# Altium PCB PCB1.PcbDoc
Units mm, origin at the board's own origin, x right, y up, seen from the top; angles counter-clockwise.
Board outline 100 x 50 mm, 2 copper layers (Top Layer, Bottom Layer); 32 components, 25 nets, 118 pads, 18 vias.
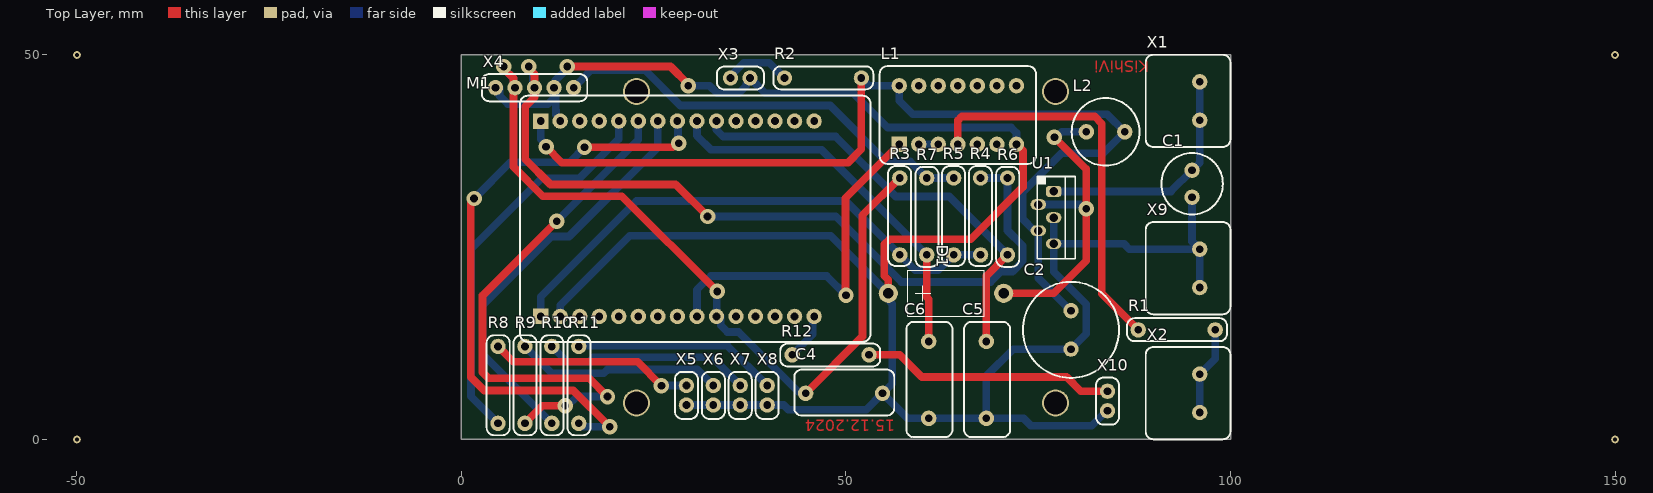
[diagram p0: Top Layer view]
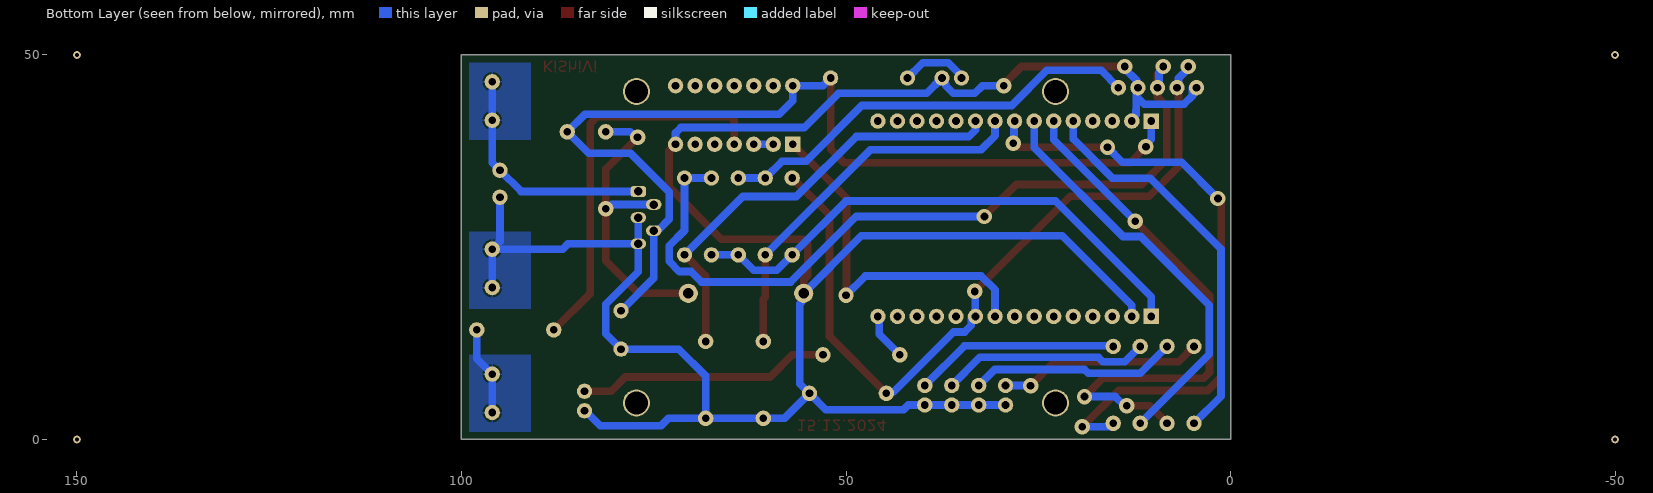
[diagram p1: Bottom Layer view, seen from below]

## Layer stack, top to bottom
Top Solder: solder mask 0.0102, Solder Resist, Dk 3.5
Top Layer: signal copper 0.0356
Dielectric 1: dielectric 0.32, FR-4, Dk 4.8
Bottom Layer: signal copper 0.0356
Bottom Solder: solder mask 0.0102, Solder Resist, Dk 3.5

## Board outline
0,0 0,50 100,50 100,0

## Design rules (kind name [scope] priority, off if disabled: settings)
Clearance [All] p1: gap=0.254 ignorepadtopadclearanceinfootprint=FALSE except(0.5: Arc-Arc Arc-Track Arc-SMDPad Arc-THPad Arc-Via Arc-Fill Arc-Poly Arc-Region Arc-Text Arc-Hole Track-Track Track-SMDPad Track-THPad Track-Via Track-Fill Track-Poly Track-Region Track-Text Track-Hole)
PolygonConnect [All] p1: connectstyle=Relief reliefconductorwidth=0.254 reliefentries=4 polygonreliefangle="90 Angle" airgapwidth=0.254
RoutingVias [All] p1: holewidth=1 width=2 viastyle="Through Hole" minholewidth=1 minwidth=2 maxholewidth=1 maxwidth=2
SolderMaskExpansion [All] p1: expansion=0.102 istentingtop=FALSE
Width [All] p1: maxlimit=1 minlimit=0.5 preferedwidth=1
30 further rules are at their usual default settings.

## Components (designator, comment, footprint, x,y, rotation, side; value= is the part's Value field where it differs from the comment)
C1 "CapPol" "CAP 8x7" 95,33.25 r270 top value=100uF
C2 "CapPol" "CAP 10x12.5" 79.25,14.25 r270 top value=1000uF
C4 "Cap" "Cap K73-17 0.1uF 100V 5-10%" 49.75,6 r180 top value=0.1uF
C5 "Cap" "Cap K73-17 0.01uF 100V 5-10%" 68.25,7.75 r90 top value=0.01uF
C6 "Cap" "Cap K73-17 0.01uF 100V 5-10%" 60.75,7.75 r90 top value=0.01uF
D1 "DiodeShotke" DIODE_SHOTKE 63,19 r180 top
L1 "SN74HCT04" DIP-14 56.92,38.38 r0 top
L2 "Inductor" RLB0912-101KL 83.75,40 r0 top
M1 "ESP32_WROOM_DevKit_v1" ESP32_WROOM_DevKit_v1 26,28.7 r0 top
R1 "Res" "Resistor MF-25" 93,14.25 r180 top value=200
R2 "Res" "Resistor MF-25" 47,47 r180 top value=68
R3 "Res" "Resistor MF-25" 57,29 r270 top value=10k
R4 "Res" "Resistor MF-25" 67.5,29 r270 top value=10k
R5 "Res" "Resistor MF-25" 64,29 r270 top value=10k
R6 "Res" "Resistor MF-25" 71,29 r90 top value=10k
R7 "Res" "Resistor MF-25" 60.5,29 r90 top value=10k
R8 "Res" "Resistor MF-25" 4.75,7.1 r90 top value=150
R9 "Res" "Resistor MF-25" 8.25,7.1 r90 top value=150
R10 "Res" "Resistor MF-25" 11.75,7.1 r90 top value=150
R11 "Res" "Resistor MF-25" 15.25,7.1 r90 top value=150
R12 "Res" "Resistor MF-25" 48,11 r0 top value=150
U1 "LM2575HVT-5.0/NOPB" KC0005A 77,28.85 r0 top
X1 "HeaderX2" TERMINAL_X2_5MM 96,44 r90 top
X2 "HeaderX2" TERMINAL_X2_5MM 96,6 r90 top
X3 "HeaderX2" HEADERX2 36.25,47 r0 top
X4 "HeaderX5" HeaderX5 9.5,45.75 r0 top
X5 "HeaderX2" HEADERX2 29.25,5.75 r270 top
X6 "HeaderX2" HEADERX2 32.75,5.75 r270 top
X7 "HeaderX2" HEADERX2 36.25,5.75 r270 top
X8 "HeaderX2" HEADERX2 39.75,5.75 r270 top
X9 "HeaderX2" TERMINAL_X2_5MM 96,22.25 r90 top
X10 "HeaderX2" HEADERX2 84,5 r270 top

## Footprints (in the part's own frame and the unit in brackets; to place one, negate y for a bottom-side part, rotate by r counter-clockwise, add the part's x,y. Pads: shape width x height; smd on the part's side, far side on the other; paste and mask are expansions set on the pad)
"CAP 8x7" [mm]
  round 2 hole 1: 1(-1.75,0) 2(1.75,0)
  silkscreen extent -4,-4 4,4
"CAP 10x12.5" [mm]
  round 2 hole 1: 1(-2.5,0) 2(2.5,0)
  silkscreen extent -6.25,-6.25 6.25,6.25
"Cap K73-17 0.1uF 100V 5-10%" [mm] "К73-17 0.1 мкФ, 100 В, 5-10%, Конденсатор металлоплёночный"
  round 2 hole 1: 1(-5,0) 2(5,0)
  silkscreen extent -6.53,-3.1 6.48,2.9, body extent -6,-3.6 6,3.4, height 20
"Cap K73-17 0.01uF 100V 5-10%" [mm] "К73-17 0.01 мкФ, 100 В, 5-10%, Конденсатор металлоплёночный"
  round 2 hole 1: 1(-5,0) 2(5,0)
  silkscreen extent -7.45,-3.1 7.55,2.9, body extent -6,-3.6 6,3.4, height 20
DIODE_SHOTKE [mm]
  round 2.5 hole 1.4: 1(-7.5,0) 2(7.5,0)
  silkscreen extent -5,-3 5,3
DIP-14 [mm]
  rect 2x2 hole 1: 1(0,0)
  round 2 hole 1: 2(2.54,0) 3(5.08,0) 4(7.62,0) 5(10.16,0) 6(12.7,0) 7(15.24,0) 8(15.24,7.62) 9(12.7,7.62) 10(10.16,7.62) 11(7.62,7.62) 12(5.08,7.62) 13(2.54,7.62) 14(0,7.62)
  silkscreen extent -2.54,-2.54 17.78,10.16, body extent -2.18,-0.25 17.42,7.62, height 4.36
ESP32_WROOM_DevKit_v1 [mm]
  rect 2x2 hole 1: 1(-15.705,-12.7) 30(-15.705,12.7)
  round 2 hole 1: 2(-13.165,-12.7) 3(-10.625,-12.7) 4(-8.085,-12.7) 5(-5.545,-12.7) 6(-3.005,-12.7) 7(-0.465,-12.7) 8(2.075,-12.7) 9(4.615,-12.7) 10(7.155,-12.7) 11(9.695,-12.7) 12(12.235,-12.7) 13(14.775,-12.7) 14(17.315,-12.7) 15(19.855,-12.7) 16(19.855,12.7) 17(17.315,12.7) 18(14.775,12.7) 19(12.235,12.7) 20(9.695,12.7) 21(7.155,12.7) 22(4.615,12.7) 23(2.075,12.7) 24(-0.465,12.7) 25(-3.005,12.7) 26(-5.545,12.7) 27(-8.085,12.7) 28(-10.625,12.7) 29(-13.165,12.7)
  silkscreen extent -18.38,-16 27.17,16, body extent -25.63,-14.2 25.3,14.3, height 7.2
HEADERX2 [mm]
  round 2 hole 1: 1(-1.27,0) 2(1.27,0)
  silkscreen extent -3.05,-1.5 3.08,1.5, body extent -2.54,-1.25 2.54,1.25, height 8.55
HeaderX5 [mm]
  round 2 hole 1: 1(-5.08,0) 2(-2.54,0) 3(0,0) 4(2.54,0) 5(5.08,0)
  silkscreen extent -6.86,-1.78 6.86,1.78, body extent -6.35,-1.25 6.35,1.25, height 8.55
KC0005A [mm] "FM, 5-Leads, Body 10.16x8.46mm, Pitch 1.7mm"
  rrect50% 2x1.4 hole 1.1: 1(0,3.4)
  oval 2x1.4 hole 1.1: 2(-2,1.7) 3(0,0) 4(-2,-1.7) 5(0,-3.4)
  silkscreen extent -2.13,-5.35 2.79,5.35, body extent -2.08,-5.35 2.77,5.35, height 16.51
"Resistor MF-25" [mm] "MF-25 (С2-23) 0.25 Вт, 1%, Резистор металлопленочный"
  round 2 hole 1: 1(-5,0) 2(5,0)
  silkscreen extent -6.55,-1.53 6.45,1.47, body extent -5.38,-1.19 5.38,1.19, height 2.41
RLB0912-101KL [mm]
  round 2 hole 1: 1(-2.5,0) 2(2.5,0)
  silkscreen extent -4.4,-4.4 4.4,4.4
TERMINAL_X2_5MM [mm]
  round 2 hole 1: 1(-2.5,0) 2(2.5,0)
  silkscreen extent -5.97,-3.98 6.03,7.02, body extent -5,-2.7 5,4.9, height 9.8

## Part data
U1: library part CMP-0069-02007-3, "SIMPLE SWITCHER® 1A Step-Down Voltage Regulator, 5-pin TO-220, Pb-Free", Manufacturer="Texas Instruments", PackageTopMarking="NSUZXYTTE#*LM2575HVT*-5.0 P+", PowerWise=N, Code_JEDEC=TO-220-AB, ComponentLink1Description="Datasheet URL", ComponentLink1URL=http://www.ti.com/general/docs/lit/getliterature.tsp?genericPartNumber=LM2575HV&fileType=pdf, CompType=Switcher, PackageDescription="TO-220, Molded, 5 Lead, Straight", PackageReference=KC0005A, PinCount=5, RoHS=Y

## Free pads (board coordinates)
  round 1 hole 0.5: ""(-50,0) ""(-50,50) ""(150,0) ""(150,50)
  round 3.5 hole 3: ""(22.75,4.75) ""(22.75,45.25) ""(77.25,4.75) ""(77.25,45.25)

## Via types
v1: diameter 2, hole 1, Top Layer to Bottom Layer, 18 vias

## Nets (pads, with @x,y where several pads share a name; then routed paths per layer and width w, separated by ;. In a path a pad name is that pad's centre, name@x,y a point inside that pad or via, vN(x,y) a via of type N, cw(c..) or ccw(c..) an arc to the next point about the centre after c; other vN are vias at no path point)
3V3: M1.1 R3.2 R4.2 R5.2 | length 69.5
  Bottom Layer w1: M1.1 10.295,18.545 22.75,31 50,31 R3.2 59.013,21.987 61.987,21.987 R5.2 R4.2
5V: C2.1 L1.14 L2.2 M1.30 R2.1 U1.4 | length 128.6
  Top Layer w1: v1(11,38.059) 13.059,36 50.265,36 52,37.735 R2.1 ; U1.4@74.994,27.15 U1.4
  Bottom Layer w1: M1.30 10.295,39.035 11,38.33 v1(11,38.059) ; R2.1 53,46 L1.14 56.92,44.06 58.673,42.307 83.943,42.307 L2.2 83.452,37.202 78.017,37.202 72.988,32.173 72.988,28.662 74.5,27.15 U1.4 75,21 C2.1
12V_Net: C1.1 U1.1 X1.1 X1.2 | length 31.1
  Bottom Layer w1: U1.1 92.25,32.25 C1.1 96,36 X1.1 X1.2
Data_3V3_Net: L1.1 M1.9 | length 47.4
  Top Layer w1: v1@49.925,18.75 49.925,31.385 L1.1
  Bottom Layer w1: M1.9@30.424,16.191 M1.9 30.615,19.443 32.422,21.25 47.5,21.25 v1(50,18.75)
Data_5V_Net: R1.1 X2.1 X2.2 | length 11.6
  Bottom Layer w1: X2.1 X2.2 98,10.5 R1.1
ENC_A_Net: C5.2 M1.21 R6.1 | length 58.1
  Top Layer w1: C5.2 68.25,21.25 R6.1
  Bottom Layer w1: M1.21 33.155,40.269 34.038,39.386 48.655,39.386 56.452,31.589 63.411,31.589 R6.1
ENC_B_Net: C6.2 M1.22 R7.1 | length 49.5
  Top Layer w1: R7.1 60.5,18.478 60.75,18.228 C6.2
  Bottom Layer w1: M1.22 30.615,39.519 32.449,37.685 46.815,37.685 R7.1
ENC_SW_Net: C4.2 M1.10 R3.1 X4.2 | length 103
  Top Layer w1: v1(5.5,48.5) 5.5,48.229 6.769,46.961 6.769,45.751 6.865,45.655 6.77,45.56 6.77,35.449 10.58,31.639 20.861,31.639 v1(33.25,19.25) ; C4.2 52.134,13.384 52.134,29.134 R3.1
  Bottom Layer w1: v1(5.5,48.5) 5.5,48.229 6.769,46.961 6.769,45.941 X4.2 ; v1(33.25,19.25) 33.203,19.203 33.203,16.048 M1.10 33.694,16 33.694,14.85 34.558,13.986 36.014,13.986 43.809,6.191 44.559,6.191 C4.2
GND_Net: C1.2 C2.2 C4.1 C5.1 C6.1 D1.2 L1.7 M1.2 M1.29 U1.3 U1.5 X3.2 X4.1 X4.4 X5.2 X6.2 X7.2 X8.2 X9.1 X9.2 X10.2 | length 308.4
  Top Layer w1: v1(13.75,48.5) 27.175,48.5 29.5,46.175 v1(29.5,46) ; D1.2 55.5,20.781 54.979,21.302 54.979,25.366 55.665,26.051 66.226,26.051 73.013,32.838 73.013,37.527 L1.7
  Bottom Layer w1: X4.1 4.941,45.75 4.941,44.695 6.059,43.577 11.215,43.577 12.04,44.402 ; X4.4 12.04,45.479 12.231,45.288 12.231,44.852 12.25,44.833 12.25,42.859 12.295,42.814 12.295,42.211 12.835,41.671 M1.29 ; X4.4@12.231,45.941 12.231,46.711 13.75,48.229 v1(13.75,48.5) ; M1.2 12.835,17.445 21.89,26.5 48,26.5 55.787,18.713 55.787,17.877 56,17.664 56,7.25 C4.1 ; X5.2 X6.2 X7.2 X8.2 41.924,4.48 42.526,3.877 52.627,3.877 C4.1 ; v1(29.5,46) 32.25,46 33.25,45 36.031,45 37.02,45.989 37.02,46.229 X3.2@37.52,46.729 ; X3.2 39.52,45 50.966,45 55.411,40.555 71.492,40.555 72.16,39.887 L1.7 ; U1.3 U1.5 ; X10.2 83.924,3.73 81.972,1.778 74.052,1.778 73.08,2.75 C5.1 ; C1.2 95,25.75 X9.2 ; X9.1 X9.2 ; C4.1 58,2.75 C6.1 C5.1 ; C5.1 68.25,8.25 71.75,11.75 C2.2 81.25,13.75 81.25,17.578 77,21.828 U1.5 ; U1.5 86.145,25.45 86.845,24.75 X9.2
LED1_Net: M1.26 R8.1 | length 51.6
  Bottom Layer w1: R8.1 1.233,5.617 1.233,24.756 10.442,33.965 15.345,33.965 20.455,39.076 M1.26
LED2_Net: M1.25 R9.1 | length 70.8
  Top Layer w1: R9.1 10.515,4.365 v1(13.5,4.365) ; v1(12.409,28.388) 2.731,18.711 2.731,8.729 3.519,7.941 16.625,7.941 v1(18.987,5.579)
  Bottom Layer w1: v1(12.409,28.388) 22.995,38.974 M1.25 ; v1(13.5,4.365) 13.771,4.365 14.985,5.579 v1(18.987,5.579)
LED3_Net: M1.24 R10.1 | length 53.8
  Bottom Layer w1: R10.1 2.75,11.1 2.75,17.459 11.679,26.388 13.987,26.388 25.535,37.936 M1.24
LED4_Net: M1.23 R11.1 | length 80.9
  Top Layer w1: v1(1.639,31.335) 1.207,30.903 1.207,8.118 2.96,6.365 14.544,6.365 v1(19.267,1.642) ; v1(16,38) 27.479,38 27.979,38.5 v1(28.25,38.5)
  Bottom Layer w1: v1(1.639,31.335) 6.364,36.059 14.059,36.059 v1(16,38) ; R11.1 15.708,1.642 v1(19.267,1.642) ; M1.23 28.163,41.313 28.163,38.587 v1(28.25,38.5)
Led_Net: R2.2 X3.1 | length 8.8
  Bottom Layer w1: X3.1 34.98,47.271 35.52,47.811 35.52,47.828 36.692,49 38.348,49 40,49 R2.2
NetD1_1: D1.1 L2.1 U1.2 | length 41.2
  Top Layer w1: D1.1 77,19 81.25,23.25 v1(81.25,30) 81.25,35.163 v1(77.103,39.31)
  Bottom Layer w1: U1.2 80.429,30.55 80.979,30 v1(81.25,30) ; v1(77.103,39.31) 77.373,39.31 78.063,40 L2.1
NetL1_2: L1.2 L1.3 | length 2.5
  Bottom Layer w1: L1.2 L1.3
NetL1_4: L1.4 R1.2 | length 51.2
  Top Layer w1: L1.4 64.54,41.469 65.073,42.003 82.335,42.003 83.275,41.063 83.275,18.975 R1.2
NetM1_15: M1.15 R12.1 | length 6.2
  Bottom Layer w1: R12.1 45.664,13.664 45.664,15.809 M1.15
NetR4_1: R4.1 R6.2 X4.3 | length 103.5
  Top Layer w1: v1(8.75,48.5) 8.75,48.229 9.5,47.479 9.5,44.504 8.294,43.298 8.294,36.44 11.576,33.158 27.842,33.158 v1(32,29)
  Bottom Layer w1: v1(8.75,48.5) 8.75,48.229 9.309,47.671 9.309,45.941 X4.3 ; v1(32,29) 48.682,29 57.195,20.487 68.805,20.487 70.148,21.829 71.658,21.829 73,23.172 73,25.176 71,27.176 R6.2 R4.1
NetR5_1: R5.1 R7.2 X4.5 | length 56.2
  Bottom Layer w1: X4.5 16.83,48 23.889,48 28.464,43.425 47.943,43.425 55.182,36.186 58.314,36.186 R7.2 R5.1
NetR8_2: R8.2 X5.1 | length 26.6
  Top Layer w1: R8.2 6.75,10.1 22.9,10.1 v1(26,7)
  Bottom Layer w1: v1(26,7) 26.01,7.01 29.24,7.01 X5.1
NetR9_2: R9.2 X6.1 | length 27
  Bottom Layer w1: R9.2 11.75,8.6 18.5,8.6 19.001,9.1 30.67,9.1 X6.1
NetR10_2: R10.2 X7.1 | length 27.1
  Bottom Layer w1: R10.2 13.75,10.1 16.6,10.1 17.176,10.676 32.594,10.676 X7.1
NetR11_2: R11.2 X8.1 | length 26.7
  Bottom Layer w1: R11.2 15.338,12.188 34.582,12.188 X8.1
NetR12_2: R12.2 X10.1 | length 33
  Top Layer w1: R12.2 57,11 59.872,8.128 78.677,8.128 80.535,6.27 X10.1
pads on no net: L1.5 L1.6 L1.8 L1.9 L1.10 L1.11 L1.12 L1.13 M1.3 M1.4 M1.5 M1.6 M1.7 M1.8 M1.11 M1.12 M1.13 M1.14 M1.16 M1.17 M1.18 M1.19 M1.20 M1.27 M1.28

## Polygon pours and split planes (outlines as drawn)
Data_5V_Net on Bottom Layer "NONET_L-01_P-001" (solid, remove dead copper, pour order 2): 91,11 99,11 99,1 91,1
GND_Net on Bottom Layer "NONET_L-01_P-001" (solid, remove dead copper, pour order 1): 91,27 99,27 99,17 91,17
12V_Net on Bottom Layer "NONET_L-01_P-001" (solid, remove dead copper, pour order 0): 91,49 99,49 99,39 91,39

## Other copper
Top Layer:
  text "KiShiVi" at 89.408,49.276 h1.5 r180
  text "15.12.2024" at 56.388,2.54 h1.5 r180

## Silkscreen, mask and mechanical layers (free items; w line width, h text height)
Mechanical 1:
  the board outline again, w0.254